# KiCad board d20_tri_r0.3_4x1.kicad_pcb (continued)
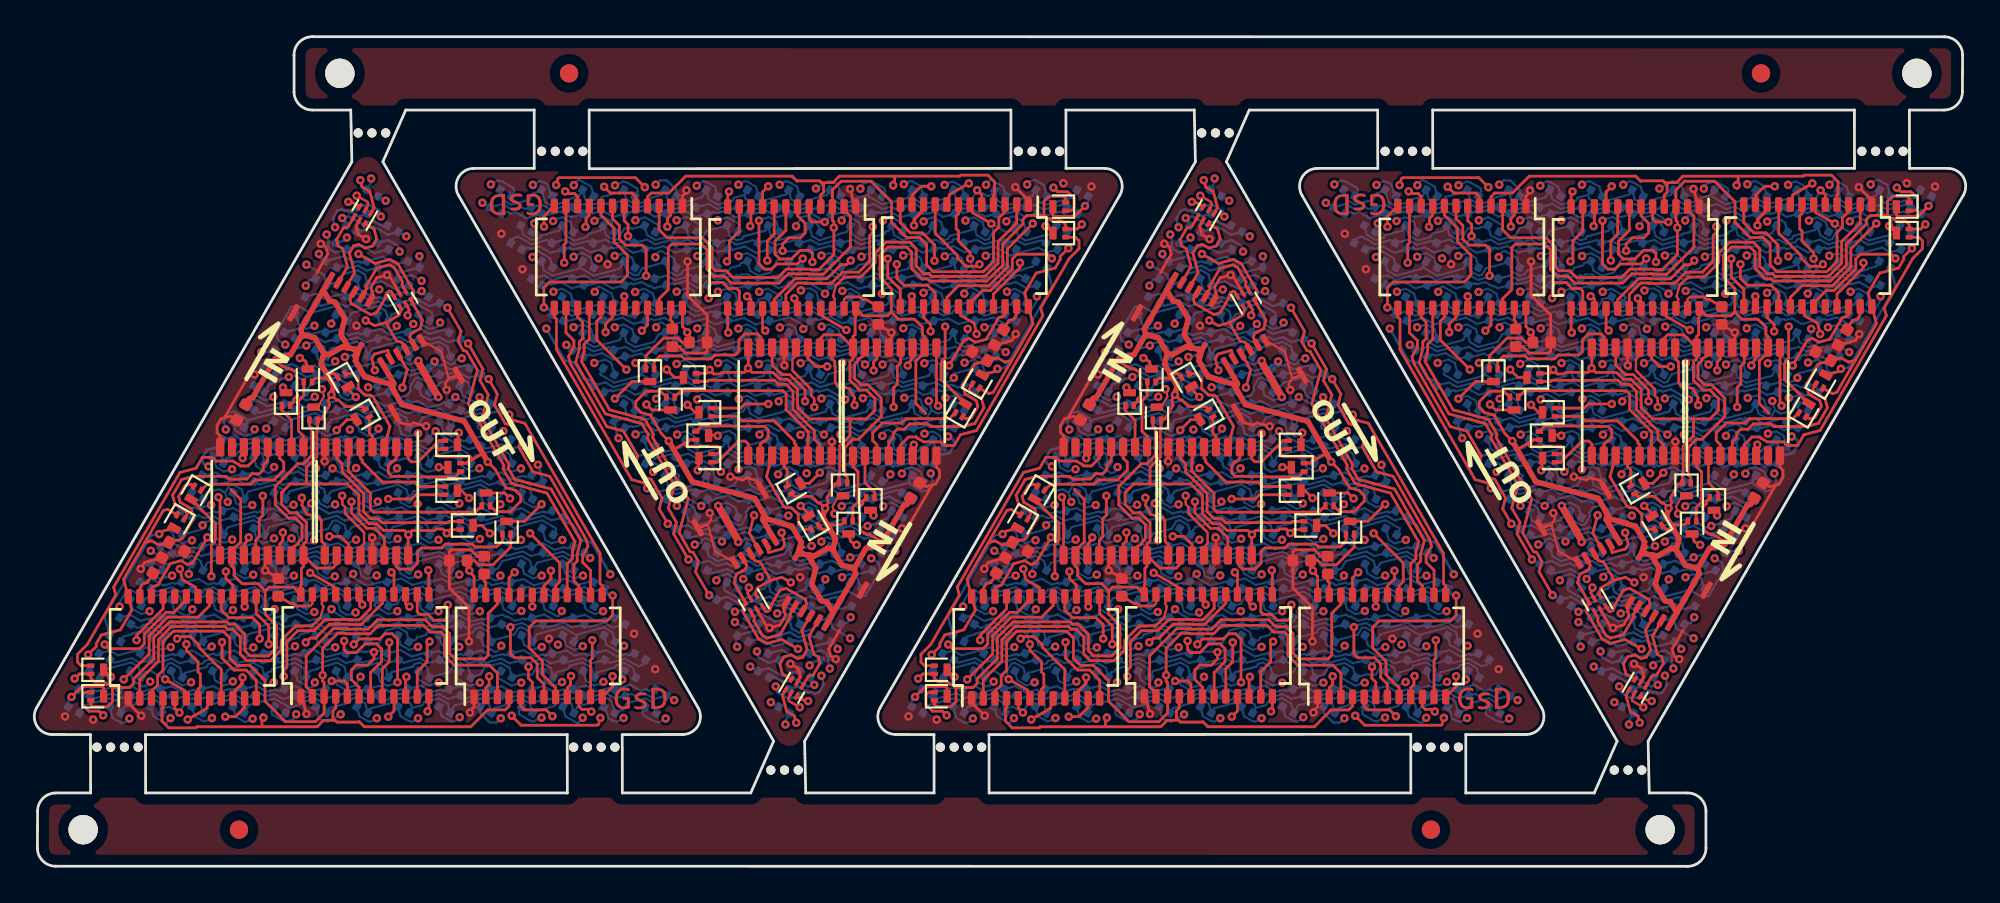
[diagram p0: board, top side]
## Routing (per net, layer and track width the routed paths; a pad name or vN(x,y) marks a point on that pad's centre or on a via; arc(x,y) is an arc through that point) (continued)
  Bottom w0.15: 19,13.05 18.85,13.21 D99#2.4 ; 65,13.05 64.85,13.21 D99#4.4 ; 86.33,32.2 86.48,32.05 D99#3.4 ; D99.4 40.48,32.05 40.33,32.2
colr_3: length 150.3
  Top w0.15: v1(31.54,14.77) 31.54,13.7 31.23,13.38 27.35,13.38 26.99,13.02 26.99,11.91 27.72,11.18 27.72,10.45 28.43,9.74 U1#2.8 ; U1#3.8 74.43,9.74 73.72,10.45 73.72,11.18 72.99,11.91 72.99,13.02 73.35,13.38 77.23,13.38 77.54,13.7 v1(77.54,14.77) ; v1(73.79,30.48) 73.79,31.56 74.11,31.87 77.99,31.87 78.35,32.23 78.35,33.34 77.62,34.07 77.62,34.8 76.9,35.52 U1#4.8 ; U1.8 30.9,35.52 31.62,34.8 31.62,34.07 32.35,33.34 32.35,32.23 31.99,31.87 28.11,31.87 27.79,31.56 v1(27.79,30.48)
  Bottom w0.114: D4.4 28.87,30.28 29.31,30.03 30.2,30.27 D20.4 31.11,30.28 31.56,30.01 32.11,30.16 32.37,30.01 D36.4 33.42,30.29 33.86,30.04 34.7,30.26 D52.4 35.59,30.27 36.04,30.01 36.96,30.26 D68.4 37.74,30.24 38.17,29.99 39.19,30.26 D84.4 40.11,30.28 40.56,30.02 41.45,30.26 D100.4 42.4,30.29 42.84,30.04 43.68,30.26 D116.4 44.59,30.27 45.04,30.01 45.94,30.25 D132.4 46.87,30.28 47.31,30.03 48.18,30.26 D148.4 49.15,30.29 49.58,30.04 50.06,30.16 50.16,30.34 50.24,30.37 D164.4 51.37,30.28 51.81,30.03 52.67,30.26 D180.4 ; D4#2.4 30.46,14.98 30.02,15.23 29.13,14.99 D20#2.4 28.22,14.98 27.77,15.24 27.22,15.09 26.96,15.24 D36#2.4 25.91,14.96 25.47,15.22 24.63,14.99 D52#2.4 23.74,14.98 23.29,15.24 22.37,15 D68#2.4 21.59,15.01 21.16,15.26 20.14,14.99 D84#2.4 19.22,14.98 18.77,15.24 17.88,15 D100#2.4 16.93,14.97 16.49,15.22 15.65,14.99 D116#2.4 14.74,14.98 14.29,15.24 13.39,15 D132#2.4 12.46,14.97 12.02,15.23 11.15,14.99 D148#2.4 10.19,14.97 9.75,15.22 9.28,15.09 9.17,14.91 9.09,14.89 D164#2.4 7.96,14.97 7.53,15.23 6.66,14.99 D180#2.4 ; D4#4.4 76.46,14.98 76.02,15.23 75.13,14.99 D20#4.4 74.22,14.98 73.77,15.24 73.22,15.09 72.96,15.24 D36#4.4 71.91,14.96 71.47,15.22 70.63,14.99 D52#3.4 69.74,14.98 69.29,15.24 68.37,15 D68#4.4 67.59,15.01 67.16,15.26 66.14,14.99 D84#3.4 65.22,14.98 64.77,15.24 63.88,15 D100#4.4 62.93,14.97 62.49,15.22 61.65,14.99 D116#4.4 60.74,14.98 60.29,15.24 59.39,15 D132#3.4 58.46,14.97 58.02,15.23 57.15,14.99 D148#4.4 56.19,14.97 55.75,15.22 55.28,15.09 55.17,14.91 55.09,14.89 D164#3.4 53.96,14.97 53.53,15.23 52.66,14.99 D180#3.4 ; D4#3.4 74.87,30.28 75.31,30.03 76.2,30.27 D20#3.4 77.11,30.28 77.56,30.01 78.11,30.16 78.37,30.01 D36#3.4 79.42,30.29 79.86,30.04 80.7,30.26 D52#4.4 81.59,30.27 82.04,30.01 82.96,30.26 D68#3.4 83.74,30.24 84.17,29.99 85.19,30.26 D84#4.4 86.11,30.28 86.56,30.02 87.45,30.26 D100#3.4 88.4,30.29 88.84,30.04 89.68,30.26 D116#3.4 90.59,30.27 91.04,30.01 91.94,30.25 D132#4.4 92.87,30.28 93.31,30.03 94.18,30.26 D148#3.4 95.15,30.29 95.58,30.04 96.06,30.16 96.16,30.34 96.24,30.37 D164#4.4 97.37,30.28 97.81,30.03 98.67,30.26 D180#4.4
  Bottom w0.15: D4#2.4 31.27,14.84 v1(31.54,14.77) ; D4#3.4 74.06,30.41 v1(73.79,30.48) ; D4#4.4 77.27,14.84 v1(77.54,14.77) ; D4.4 28.06,30.41 v1(27.79,30.48)
colr_4: length 133.8
  Top w0.15: 30.09,34.89 30.09,35.34 30.27,35.52 U1.9 ; U1#2.9 29.07,9.74 29.24,9.91 29.24,10.37 ; 75.24,10.37 75.24,9.91 75.07,9.74 U1#3.9 ; U1#4.9 76.27,35.52 76.09,35.34 76.09,34.89
  In2.Cu w0.15: v1(30.31,16.82) 30.23,16.5 30.6,15.87 30.21,14.43 31.06,12.97 30.56,11.13 29.24,10.37 ; v1(75.02,28.44) 75.1,28.75 74.73,29.39 75.12,30.83 74.28,32.29 74.77,34.12 76.09,34.89 ; 75.24,10.37 76.56,11.13 77.06,12.97 76.21,14.43 76.6,15.87 76.23,16.5 v1(76.31,16.82) ; 30.09,34.89 28.77,34.12 28.28,32.29 29.12,30.83 28.73,29.39 29.1,28.75 v1(29.02,28.44)
  Bottom w0.114: D165.4 51.52,28.33 51.34,28.28 51.32,28.26 50.68,28.08 50.24,28.33 D149.4 49.31,28.31 48.47,28.08 48.02,28.34 D133.4 47.07,28.31 46.21,28.08 45.76,28.34 D117.4 44.81,28.31 43.92,28.07 43.48,28.33 D101.4 42.57,28.31 41.72,28.08 41.27,28.34 D85.4 40.33,28.31 39.47,28.08 39.02,28.34 D69.4 38.08,28.31 37.24,28.08 36.79,28.34 D53.4 35.83,28.31 34.99,28.09 34.54,28.35 D37.4 33.57,28.32 32.68,28.08 32.25,28.33 D21.4 31.34,28.31 30.49,28.09 30.05,28.35 D5.4 29.04,28.34 v1(29.02,28.44) ; D165#2.4 7.81,16.92 8,16.97 8.01,17 8.65,17.17 9.09,16.92 D149#2.4 10.02,16.95 10.86,17.17 11.31,16.91 D133#2.4 12.26,16.95 13.12,17.18 13.57,16.92 D117#2.4 14.52,16.94 15.41,17.18 15.85,16.92 D101#2.4 16.76,16.95 17.62,17.18 18.07,16.92 D85#2.4 19,16.95 19.86,17.17 20.31,16.91 D69#2.4 21.25,16.94 22.09,17.17 22.54,16.91 D53#2.4 23.5,16.94 24.34,17.17 24.79,16.91 D37#2.4 25.76,16.93 26.65,17.17 27.09,16.92 D21#2.4 27.99,16.94 28.84,17.17 29.28,16.91 D5#2.4 30.29,16.91 v1(30.31,16.82) ; v1(76.31,16.82) 76.29,16.91 D5#4.4 75.28,16.91 74.84,17.17 73.99,16.94 D21#4.4 73.09,16.92 72.65,17.17 71.76,16.93 D37#3.4 70.79,16.91 70.34,17.17 69.5,16.94 D53#4.4 68.54,16.91 68.09,17.17 67.25,16.94 D69#4.4 66.31,16.91 65.86,17.17 65,16.95 D85#4.4 64.07,16.92 63.62,17.18 62.76,16.95 D101#4.4 61.85,16.92 61.41,17.18 60.52,16.94 D117#4.4 59.57,16.92 59.12,17.18 58.26,16.95 D133#3.4 57.31,16.91 56.86,17.17 56.02,16.95 D149#4.4 55.09,16.92 54.65,17.17 54.01,17 54,16.97 53.81,16.92 D165#3.4 ; D165#4.4 97.52,28.33 97.34,28.28 97.32,28.26 96.68,28.08 96.24,28.33 D149#3.4 95.31,28.31 94.47,28.08 94.02,28.34 D133#4.4 93.07,28.31 92.21,28.08 91.76,28.34 D117#3.4 90.81,28.31 89.92,28.07 89.48,28.33 D101#3.4 88.57,28.31 87.72,28.08 87.27,28.34 D85#3.4 86.33,28.31 85.47,28.08 85.02,28.34 D69#3.4 84.08,28.31 83.24,28.08 82.79,28.34 D53#3.4 81.83,28.31 80.99,28.09 80.54,28.35 D37#4.4 79.57,28.32 78.68,28.08 78.25,28.33 D21#3.4 77.34,28.31 76.49,28.09 76.05,28.35 D5#3.4 75.04,28.34 v1(75.02,28.44)
  vias: v1(29.27,10.38) v1(30.06,34.88) v1(75.27,10.38) v1(76.06,34.88)
colr_5: length 147.6
  Top w0.15: U1.10 29.63,36.54 29.48,36.69 29.16,36.69 29,36.73 v1(28.95,36.81) ; U1#2.10 29.7,8.72 29.86,8.56 30.17,8.56 30.33,8.52 v1(30.38,8.44) ; U1#3.10 75.7,8.72 75.86,8.56 76.17,8.56 76.33,8.52 v1(76.38,8.44) ; U1#4.10 75.63,36.54 75.48,36.69 75.16,36.69 75,36.73 v1(74.95,36.81)
  In2.Cu w0.15: v1(27.92,29.33) 27.91,29.33 25.91,32.81 26.69,35.71 27.88,36.4 28.13,36.34 v1(28.95,36.81) ; v1(31.41,15.93) 31.42,15.93 33.42,12.45 32.64,9.54 31.45,8.85 31.2,8.92 v1(30.38,8.44) ; v1(77.41,15.93) 77.42,15.93 79.42,12.45 78.64,9.54 77.45,8.85 77.2,8.92 v1(76.38,8.44) ; v1(73.92,29.33) 73.91,29.33 71.91,32.81 72.69,35.71 73.88,36.4 74.13,36.34 v1(74.95,36.81)
  Bottom w0.114: D102.4 44.61,26.39 45.04,26.13 45.93,26.37 D118.4 46.9,26.4 47.33,26.15 47.65,26.23 47.65,26.24 48.17,26.38 D134.4 49.15,26.4 49.58,26.15 50.03,26.27 50.12,26.21 50.16,26.23 50.35,26.12 D150.4 ; 40.44,26.23 40.15,26.4 D70.4 39.2,26.36 38.36,26.14 37.91,26.4 D54.4 36.87,26.12 36.65,26.24 36.16,26.11 35.67,26.4 D38.4 34.7,26.37 33.85,26.15 33.41,26.4 D22.4 32.45,26.37 31.58,26.14 31.14,26.39 D6.4 ; D102#2.4 14.72,18.87 14.29,19.12 13.4,18.88 D118#2.4 12.43,18.86 12,19.11 11.68,19.02 11.68,19.02 11.16,18.88 D134#2.4 10.18,18.86 9.75,19.11 9.3,18.99 9.21,19.04 9.17,19.03 8.98,19.14 D150#2.4 ; 18.89,19.03 19.18,18.86 D70#2.4 20.13,18.89 20.97,19.12 21.42,18.86 D54#2.4 22.46,19.14 22.68,19.01 23.17,19.14 23.67,18.86 D38#2.4 24.63,18.88 25.49,19.11 25.92,18.86 D22#2.4 26.88,18.88 27.75,19.12 28.19,18.86 D6#2.4 ; D6#3.4 74.19,18.86 73.75,19.12 72.88,18.88 D22#3.4 71.92,18.86 71.49,19.11 70.63,18.88 D38#3.4 69.67,18.86 69.17,19.14 68.68,19.01 68.46,19.14 D54#4.4 67.42,18.86 66.97,19.12 66.13,18.89 D70#4.4 65.18,18.86 64.89,19.03 ; D102#4.4 60.72,18.87 60.29,19.12 59.4,18.88 D118#4.4 58.43,18.86 58,19.11 57.68,19.02 57.68,19.02 57.16,18.88 D134#3.4 56.18,18.86 55.75,19.11 55.3,18.99 55.21,19.04 55.17,19.03 54.98,19.14 D150#4.4 ; D102#3.4 90.61,26.39 91.04,26.13 91.93,26.37 D118#3.4 92.9,26.4 93.33,26.15 93.65,26.23 93.65,26.24 94.17,26.38 D134#4.4 95.15,26.4 95.58,26.15 96.03,26.27 96.12,26.21 96.16,26.23 96.35,26.12 D150#3.4 ; 86.44,26.23 86.15,26.4 D70#3.4 85.2,26.36 84.36,26.14 83.91,26.4 D54#3.4 82.87,26.12 82.65,26.24 82.16,26.11 81.67,26.4 D38#4.4 80.7,26.37 79.85,26.15 79.41,26.4 D22#4.4 78.45,26.37 77.58,26.14 77.14,26.39 D6#4.4
  Bottom w0.127: D102.4 43.68,26.38 43.22,26.25 43.21,26.24 42.84,26.14 42.4,26.4 D86.4 41.45,26.36 40.6,26.14 40.44,26.23 ; D102#2.4 15.65,18.88 16.12,19 16.12,19.02 16.49,19.11 16.93,18.86 D86#2.4 17.88,18.89 18.73,19.12 18.89,19.03 ; 64.89,19.03 64.73,19.12 63.88,18.89 D86#4.4 62.93,18.86 62.49,19.11 62.12,19.02 62.12,19 61.65,18.88 D102#4.4 ; D102#3.4 89.68,26.38 89.22,26.25 89.21,26.24 88.84,26.14 88.4,26.4 D86#3.4 87.45,26.36 86.6,26.14 86.44,26.23
  Bottom w0.15: v1(31.41,15.93) 30.41,17.65 29.85,17.8 29.35,18.66 29.02,18.75 D6#2.4 ; v1(77.41,15.93) 76.41,17.65 75.85,17.8 75.35,18.66 75.02,18.75 D6#3.4 ; v1(73.92,29.33) 74.92,27.6 75.48,27.45 75.98,26.59 76.31,26.5 D6#4.4 ; v1(27.92,29.33) 28.92,27.6 29.48,27.45 29.98,26.59 30.31,26.5 D6.4
colr_6: length 136.4
  Top w0.15: v1(28.9,32.92) 28.9,33.92 29,34.01 U1.11 ; U1#2.11 30.34,11.24 30.43,11.34 v1(30.43,12.33) ; U1#3.11 76.34,11.24 76.43,11.34 v1(76.43,12.33) ; U1#4.11 75,34.01 74.9,33.92 v1(74.9,32.92)
  In2.Cu w0.15: v1(30.43,12.33) 29.07,14.69 29.88,17.71 v1(27.47,21.9) ; v1(73.47,21.9) 75.88,17.71 75.07,14.69 v1(76.43,12.33) ; v1(74.9,32.92) 76.26,30.57 75.45,27.54 v1(77.86,23.36) ; v1(31.86,23.36) 29.45,27.54 30.26,30.57 v1(28.9,32.92)
  Bottom w0.114: D119.4 47.85,24.41 48.29,24.15 49.3,24.43 D135.4 ; D55.4 38.07,24.43 37.22,24.2 36.79,24.45 D39.4 35.82,24.43 34.98,24.2 34.54,24.45 D23.4 33.57,24.43 32.73,24.2 32.3,24.46 D7.4 ; D119#2.4 11.48,20.85 11.04,21.1 10.03,20.83 D135#2.4 ; D55#2.4 21.26,20.83 22.11,21.05 22.54,20.8 D39#2.4 23.51,20.83 24.35,21.05 24.79,20.8 D23#2.4 25.76,20.83 26.6,21.05 27.04,20.8 D7#2.4 ; D7#3.4 73.04,20.8 72.6,21.05 71.76,20.83 D23#3.4 70.79,20.8 70.35,21.05 69.51,20.83 D39#4.4 68.54,20.8 68.11,21.05 67.26,20.83 D55#3.4 ; D135#4.4 56.03,20.83 57.04,21.1 57.48,20.85 D119#4.4 ; D119#3.4 93.85,24.41 94.29,24.15 95.3,24.43 D135#3.4 ; D55#4.4 84.07,24.43 83.22,24.2 82.79,24.45 D39#3.4 81.82,24.43 80.98,24.2 80.54,24.45 D23#4.4 79.57,24.43 78.73,24.2 78.3,24.46 D7#4.4
  Bottom w0.127: D55.4 39.02,24.45 39.46,24.19 39.53,24.21 39.54,24.21 40.33,24.42 D71.4 41.19,24.43 41.65,24.16 42.23,24.32 42.48,24.17 D87.4 43.17,24.27 43.35,24.45 43.5,24.45 43.96,24.18 44.03,24.18 44.5,24.31 44.73,24.17 45.77,24.45 46.21,24.19 47.06,24.42 D119.4 ; D55#2.4 20.31,20.81 19.87,21.06 19.8,21.04 19.8,21.05 19,20.84 D71#2.4 18.14,20.83 17.68,21.09 17.1,20.94 16.85,21.08 D87#2.4 16.16,20.99 15.98,20.81 15.83,20.81 15.37,21.07 15.3,21.07 14.83,20.95 14.6,21.08 13.56,20.81 13.12,21.06 12.27,20.83 D119#2.4 ; D55#3.4 66.31,20.81 65.87,21.06 65.8,21.04 65.8,21.05 65,20.84 D71#4.4 64.14,20.83 63.68,21.09 63.1,20.94 62.85,21.08 D87#4.4 62.16,20.99 61.98,20.81 61.83,20.81 61.37,21.07 61.3,21.07 60.83,20.95 60.6,21.08 59.56,20.81 59.12,21.06 58.27,20.83 D119#4.4 ; D55#4.4 85.02,24.45 85.46,24.19 85.53,24.21 85.54,24.21 86.33,24.42 D71#3.4 87.19,24.43 87.65,24.16 88.23,24.32 88.48,24.17 D87#3.4 89.17,24.27 89.35,24.45 89.5,24.45 89.96,24.18 90.03,24.18 90.5,24.31 90.73,24.17 91.77,24.45 92.21,24.19 93.06,24.42 D119#3.4
  Bottom w0.15: D7.4 31.85,23.37 v1(31.86,23.36) ; D7#2.4 27.49,21.89 v1(27.47,21.9) ; D7#3.4 73.49,21.89 v1(73.47,21.9) ; D7#4.4 77.85,23.37 v1(77.86,23.36)
colr_7: length 133.4
  Top w0.15: U1#2.12 31.54,9.8 v1(31.54,10.37) ; v1(77.54,10.37) 77.54,9.8 U1#3.12 ; U1#4.12 73.8,35.45 v1(73.8,34.89) ; U1.12 27.8,35.45 v1(27.8,34.89)
  In2.Cu w0.15: v1(31.54,10.37) 31,11.3 31.34,12.56 31.8,12.83 31.94,13.35 31.4,14.29 31.24,14.33 30.75,15.17 31.1,16.47 27.6,22.53 v1(27.03,22.68) ; v1(77.54,10.37) 77,11.3 77.34,12.56 77.8,12.83 77.94,13.35 77.4,14.29 77.24,14.33 76.75,15.17 77.1,16.47 73.6,22.53 v1(73.03,22.68) ; v1(73.8,34.89) 74.33,33.96 73.99,32.69 73.53,32.42 73.39,31.9 73.93,30.97 74.1,30.92 74.58,30.08 74.23,28.78 77.73,22.72 v1(78.3,22.57) ; v1(32.3,22.57) 31.73,22.72 28.23,28.78 28.58,30.08 28.1,30.92 27.93,30.97 27.39,31.9 27.53,32.42 27.99,32.69 28.33,33.96 v1(27.8,34.89)
  Bottom w0.114: D120.4 48.1,22.23 47.99,22.29 47.48,22.15 46.88,22.5 D104.4 45.85,22.23 45.74,22.3 45.23,22.16 44.64,22.5 D88.4 43.84,22.39 42.87,22.13 42.28,22.47 D72.4 41.56,22.41 40.69,22.18 40.13,22.5 D56.4 39.19,22.48 38.35,22.26 37.91,22.51 D40.4 36.94,22.48 36.1,22.26 35.67,22.51 D24.4 34.71,22.48 33.83,22.24 33.38,22.5 D8.4 v1(32.3,22.57) ; D120#2.4 11.23,23.03 11.34,22.96 11.85,23.1 12.45,22.75 D104#2.4 13.48,23.03 13.59,22.96 14.1,23.1 14.69,22.75 D88#2.4 15.49,22.86 16.46,23.12 17.05,22.78 D72#2.4 17.77,22.84 18.64,23.08 19.2,22.75 D56#2.4 20.14,22.77 20.98,23 21.42,22.75 D40#2.4 22.39,22.77 23.23,23 23.66,22.75 D24#2.4 24.62,22.78 25.5,23.02 25.95,22.76 D8#2.4 27.03,22.69 v1(27.03,22.68) ; D120#4.4 57.23,23.03 57.34,22.96 57.85,23.1 58.45,22.75 D104#4.4 59.48,23.03 59.59,22.96 60.1,23.1 60.69,22.75 D88#3.4 61.49,22.86 62.46,23.12 63.05,22.78 D72#4.4 63.77,22.84 64.64,23.08 65.2,22.75 D56#3.4 66.14,22.77 66.98,23 67.42,22.75 D40#3.4 68.39,22.77 69.23,23 69.66,22.75 D24#3.4 70.62,22.78 71.5,23.02 71.95,22.76 D8#3.4 73.03,22.69 v1(73.03,22.68) ; D120#3.4 94.1,22.23 93.99,22.29 93.48,22.15 92.88,22.5 D104#3.4 91.85,22.23 91.74,22.3 91.23,22.16 90.64,22.5 D88#4.4 89.84,22.39 88.87,22.13 88.28,22.47 D72#3.4 87.56,22.41 86.69,22.18 86.13,22.5 D56#4.4 85.19,22.48 84.35,22.26 83.91,22.51 D40#4.4 82.94,22.48 82.1,22.26 81.67,22.51 D24#4.4 80.71,22.48 79.83,22.24 79.38,22.5 D8#4.4 v1(78.3,22.57)
colr_8: length 106
  Top w0.15: U1.13 28.36,29.96 28.48,29.84 28.48,28.19 32.58,21.09 33.26,20.91 v1(33.43,20.63) ; v1(25.9,24.63) 26.07,24.35 26.75,24.16 30.85,17.06 30.85,15.42 30.97,15.3 U1#2.13 ; v1(71.9,24.63) 72.07,24.35 72.75,24.16 76.85,17.06 76.85,15.42 76.97,15.3 U1#3.13 ; v1(79.43,20.63) 79.26,20.91 78.58,21.09 74.48,28.19 74.48,29.84 74.36,29.96 U1#4.13
  Bottom w0.114: D9.4 34.54,20.56 34.99,20.3 35.84,20.53 D25.4 36.77,20.56 37.22,20.3 38.08,20.53 D41.4 39.02,20.56 39.47,20.3 40.06,20.46 40.33,20.53 D57.4 ; D9#2.4 24.79,24.69 24.34,24.95 23.5,24.73 D25#2.4 22.56,24.7 22.11,24.96 21.25,24.73 D41#2.4 20.31,24.7 19.86,24.96 19.27,24.8 19,24.73 D57#2.4 ; D9#4.4 70.79,24.69 70.34,24.95 69.5,24.73 D25#3.4 68.56,24.7 68.11,24.96 67.25,24.73 D41#3.4 66.31,24.7 65.86,24.96 65.27,24.8 65,24.73 D57#3.4 ; D9#3.4 80.54,20.56 80.99,20.3 81.84,20.53 D25#4.4 82.77,20.56 83.22,20.3 84.08,20.53 D41#4.4 85.02,20.56 85.47,20.3 86.06,20.46 86.33,20.53 D57#4.4
  Bottom w0.127: D105.4 47.08,20.52 46.07,20.25 45.61,20.52 D89.4 44.83,20.52 43.96,20.29 43.5,20.56 D73.4 42.48,20.28 42.23,20.43 41.72,20.29 41.26,20.56 D57.4 ; D57#2.4 18.07,24.7 17.61,24.96 17.1,24.83 16.85,24.97 D73#2.4 15.83,24.7 15.37,24.96 14.5,24.73 D89#2.4 13.72,24.74 13.26,25 12.25,24.73 D105#2.4 ; D57#3.4 64.07,24.7 63.61,24.96 63.1,24.83 62.85,24.97 D73#3.4 61.83,24.7 61.37,24.96 60.5,24.73 D89#4.4 59.72,24.74 59.26,25 58.25,24.73 D105#4.4 ; D57#4.4 87.26,20.56 87.72,20.29 88.23,20.43 88.48,20.28 D73#4.4 89.5,20.56 89.96,20.29 90.83,20.52 D89#3.4 91.61,20.52 92.07,20.25 93.08,20.52 D105#3.4
  Bottom w0.15: D9.4 33.85,20.38 v1(33.43,20.63) ; D9#2.4 25.48,24.87 v1(25.9,24.63) ; D9#4.4 71.48,24.87 v1(71.9,24.63) ; D9#3.4 79.85,20.38 v1(79.43,20.63)
colr_9: length 107.4
  Top w0.15: v1(24.78,26.58) 25.25,25.76 25.09,25.17 25.69,24.14 26.13,24.03 26.54,23.31 26.43,22.86 27.2,21.51 28.11,21.27 30.09,17.83 30.2,17.45 29.9,16.94 29.9,16.58 30.34,16.15 U1#2.14 ; U1#3.14 76.34,16.15 75.9,16.58 75.9,16.94 76.2,17.45 76.09,17.83 74.11,21.27 73.2,21.51 72.43,22.86 72.54,23.31 72.13,24.03 71.69,24.14 71.09,25.17 71.25,25.76 v1(70.78,26.58) ; v1(80.55,18.68) 80.08,19.5 80.24,20.09 79.65,21.11 79.2,21.23 78.79,21.95 78.91,22.39 78.13,23.74 77.22,23.98 75.24,27.42 75.13,27.81 75.43,28.31 75.43,28.68 75,29.11 U1#4.14 ; U1.14 29,29.11 29.43,28.68 29.43,28.31 29.13,27.81 29.24,27.42 31.22,23.98 32.13,23.74 32.91,22.39 32.79,21.95 33.2,21.23 33.65,21.11 34.24,20.09 34.08,19.5 v1(34.55,18.68)
  Bottom w0.127: D90.4 45.86,18.34 45.81,18.25 45.29,18.11 44.49,18.57 D74.4 43.71,18.58 42.84,18.35 42.38,18.61 D58.4 41.36,18.34 40.83,18.65 40.62,18.59 40.44,18.69 39.12,18.34 38.86,18.48 38.35,18.35 37.89,18.61 D26.4 36.87,18.34 36.74,18.41 36.23,18.27 35.64,18.61 D10.4 ; D10#2.4 23.69,26.64 23.1,26.98 22.59,26.84 22.46,26.92 D26#2.4 21.44,26.64 20.98,26.91 20.47,26.77 20.22,26.92 18.89,26.56 18.71,26.67 18.5,26.61 17.97,26.92 D58#2.4 16.95,26.64 16.49,26.91 15.62,26.68 D74#2.4 14.84,26.68 14.04,27.14 13.52,27 13.48,26.92 D90#2.4 ; D10#4.4 69.69,26.64 69.1,26.98 68.59,26.84 68.46,26.92 D26#3.4 67.44,26.64 66.98,26.91 66.47,26.77 66.22,26.92 64.89,26.56 64.71,26.67 64.5,26.61 63.97,26.92 D58#3.4 62.95,26.64 62.49,26.91 61.62,26.68 D74#4.4 60.84,26.68 60.04,27.14 59.52,27 59.48,26.92 D90#3.4 ; D10#3.4 81.64,18.61 82.23,18.27 82.74,18.41 82.87,18.34 D26#4.4 83.89,18.61 84.35,18.35 84.86,18.48 85.12,18.34 86.44,18.69 86.62,18.59 86.83,18.65 87.36,18.34 D58#4.4 88.38,18.61 88.84,18.35 89.71,18.58 D74#3.4 90.49,18.57 91.29,18.11 91.81,18.25 91.86,18.34 D90#4.4
  Bottom w0.15: v1(34.55,18.68) D10.4 ; D10#2.4 24.36,26.82 v1(24.78,26.58) ; D10#4.4 70.36,26.82 v1(70.78,26.58) ; v1(80.55,18.68) D10#3.4
colr_10: length 107.7
  Top w0.15: U1#2.15 29.7,15.3 29.43,15.57 29.43,16.47 29.61,16.65 29.61,17.04 29.8,17.77 28.18,20.58 26.2,21.11 25.85,21.71 25.9,21.9 24.42,24.46 24.76,25.72 24.31,26.5 24.47,27.11 v1(23.66,28.52) ; v1(69.66,28.52) 70.47,27.11 70.31,26.5 70.76,25.72 70.42,24.46 71.9,21.9 71.85,21.71 72.2,21.11 74.18,20.58 75.8,17.77 75.61,17.04 75.61,16.65 75.43,16.47 75.43,15.57 75.7,15.3 U1#3.15 ; U1#4.15 75.63,29.96 75.9,29.69 75.9,28.79 75.72,28.61 75.72,28.21 75.53,27.48 77.15,24.68 79.13,24.15 79.48,23.54 79.43,23.35 80.91,20.8 80.57,19.54 81.02,18.75 80.86,18.14 v1(81.67,16.73) ; U1.15 29.63,29.96 29.9,29.69 29.9,28.79 29.72,28.61 29.72,28.21 29.53,27.48 31.15,24.68 33.13,24.15 33.48,23.54 33.43,23.35 34.91,20.8 34.57,19.54 35.02,18.75 34.86,18.14 v1(35.67,16.73)
  Bottom w0.127: D75.4 44.73,16.39 44.63,16.45 44.4,16.38 44.24,16.47 43.96,16.4 43.5,16.66 D59.4 42.49,16.39 42.23,16.54 41.72,16.4 41.26,16.66 D43.4 40.24,16.39 39.98,16.54 39.42,16.39 38.96,16.65 D27.4 37.99,16.39 37.75,16.53 37.24,16.39 36.76,16.67 D11.4 35.67,16.73 v1(35.67,16.73) ; v1(23.66,28.52) 23.66,28.52 D11#2.4 22.57,28.59 22.09,28.86 21.58,28.72 21.34,28.86 D27#2.4 20.37,28.6 19.91,28.87 19.35,28.72 19.09,28.86 D43#2.4 18.07,28.59 17.61,28.85 17.1,28.72 16.84,28.86 D59#2.4 15.83,28.59 15.37,28.86 15.09,28.78 14.93,28.87 14.7,28.81 14.6,28.86 D75#2.4 ; v1(69.66,28.52) 69.66,28.52 D11#3.4 68.57,28.59 68.09,28.86 67.58,28.72 67.34,28.86 D27#3.4 66.37,28.6 65.91,28.87 65.35,28.72 65.09,28.86 D43#3.4 64.07,28.59 63.61,28.85 63.1,28.72 62.84,28.86 D59#3.4 61.83,28.59 61.37,28.86 61.09,28.78 60.93,28.87 60.7,28.81 60.6,28.86 D75#4.4 ; v1(81.67,16.73) 81.67,16.73 D11#4.4 82.76,16.67 83.24,16.39 83.75,16.53 83.99,16.39 D27#4.4 84.96,16.65 85.42,16.39 85.98,16.54 86.24,16.39 D43#4.4 87.26,16.66 87.72,16.4 88.23,16.54 88.49,16.39 D59#4.4 89.5,16.66 89.96,16.4 90.24,16.47 90.4,16.38 90.63,16.45 90.73,16.39 D75#3.4
colr_11: length 106.9
  Top w0.15: v1(22.53,30.47) 23.27,29.19 23.12,28.61 23.39,28.14 23.57,28.09 24.16,27.07 23.67,25.23 25.61,21.87 25.56,21.69 26.03,20.87 27.96,20.36 29.49,17.71 29.35,17.17 29.35,16.78 29.07,16.5 U1#2.16 ; v1(68.53,30.47) 69.27,29.19 69.12,28.61 69.39,28.14 69.57,28.09 70.16,27.07 69.67,25.23 71.61,21.87 71.56,21.69 72.03,20.87 73.96,20.36 75.49,17.71 75.35,17.17 75.35,16.78 75.07,16.5 U1#3.16 ; v1(82.8,14.79) 82.06,16.07 82.21,16.64 81.94,17.12 81.76,17.17 81.17,18.19 81.66,20.03 79.72,23.39 79.77,23.57 79.3,24.38 77.37,24.9 75.84,27.55 75.99,28.08 75.99,28.47 76.27,28.75 U1#4.16 ; v1(36.8,14.79) 36.06,16.07 36.21,16.64 35.94,17.12 35.76,17.17 35.17,18.19 35.66,20.03 33.72,23.39 33.77,23.57 33.3,24.38 31.37,24.9 29.84,27.55 29.99,28.08 29.99,28.47 30.27,28.75 U1.16
  Bottom w0.127: v1(36.8,14.79) 36.8,14.79 D12.4 37.8,14.7 38.52,14.29 D28.4 40.1,14.71 40.56,14.45 41.46,14.69 D44.4 42.38,14.72 42.84,14.45 43.71,14.69 D60.4 ; v1(22.53,30.47) 22.53,30.47 D12#2.4 21.53,30.56 20.81,30.97 D28#2.4 19.23,30.55 18.77,30.81 17.87,30.57 D44#2.4 16.95,30.54 16.49,30.8 15.62,30.57 D60#2.4 ; v1(82.8,14.79) 82.8,14.79 D12#3.4 83.8,14.7 84.52,14.29 D28#4.4 86.1,14.71 86.56,14.45 87.46,14.69 D44#4.4 88.38,14.72 88.84,14.45 89.71,14.69 D60#4.4 ; D60#3.4 61.62,30.57 62.49,30.8 62.95,30.54 D44#3.4 63.87,30.57 64.77,30.81 65.23,30.55 D28#3.4 66.81,30.97 67.53,30.56 D12#4.4 68.53,30.47 v1(68.53,30.47)
colr_12: length 109.5
  Top w0.15: v1(32.29,27.09) 30.68,28.71 30.68,29.73 30.9,29.96 U1.17 ; U1#2.17 28.43,15.3 28.66,15.52 28.66,16.55 v1(27.04,18.16) ; U1#3.17 74.43,15.3 74.66,15.52 74.66,16.55 v1(73.04,18.16) ; U1#4.17 76.9,29.96 76.68,29.73 76.68,28.71 v1(78.29,27.09)
  In2.Cu w0.15: v1(27.04,18.16) 27.36,19.36 26.01,21.7 26.43,23.25 25.89,24.19 25.46,24.3 24.85,25.36 24.89,25.53 23.88,27.29 23.97,27.63 23.72,28.05 23.39,28.14 22.62,29.48 22.66,29.65 22.45,30.01 22.24,30.07 21.77,30.87 22.01,31.77 21.45,32.75 21.28,32.8 v1(21,33.28) ; v1(73.04,18.16) 73.36,19.36 72.01,21.7 72.43,23.25 71.89,24.19 71.46,24.3 70.85,25.36 70.89,25.53 69.88,27.29 69.97,27.63 69.72,28.05 69.39,28.14 68.62,29.48 68.66,29.65 68.45,30.01 68.24,30.07 67.77,30.87 68.01,31.77 67.45,32.75 67.28,32.8 v1(67,33.28) ; v1(78.29,27.09) 77.97,25.89 79.32,23.56 78.9,22 79.44,21.07 79.87,20.95 80.48,19.89 80.44,19.73 81.45,17.97 81.36,17.63 81.61,17.21 81.94,17.12 82.71,15.78 82.67,15.61 82.88,15.24 83.09,15.18 83.56,14.38 83.32,13.48 83.88,12.5 84.05,12.46 v1(84.33,11.98) ; v1(38.33,11.98) 38.05,12.46 37.88,12.5 37.32,13.48 37.56,14.38 37.09,15.18 36.88,15.24 36.67,15.61 36.71,15.78 35.94,17.12 35.61,17.21 35.36,17.63 35.45,17.97 34.44,19.73 34.48,19.89 33.87,20.95 33.44,21.07 32.9,22 33.32,23.56 31.97,25.89 v1(32.29,27.09)
  Bottom w0.127: v1(21,33.28) 21.1,33.1 D13#2.4 20.01,32.4 19.29,32.81 D29#2.4 18.12,32.49 17.66,32.76 17.1,32.61 16.84,32.75 D45#2.4 ; v1(67,33.28) 67.1,33.1 D13#4.4 66.01,32.4 65.29,32.81 D29#4.4 64.12,32.49 63.66,32.76 63.1,32.61 62.84,32.75 D45#3.4 ; v1(84.33,11.98) 84.23,12.15 D13#3.4 85.32,12.86 86.04,12.45 D29#3.4 87.21,12.76 87.67,12.5 88.23,12.65 88.49,12.5 D45#4.4 ; D45.4 42.49,12.5 42.23,12.65 41.67,12.5 41.21,12.76 D29.4 40.04,12.45 39.32,12.86 D13.4 38.23,12.15 v1(38.33,11.98)
colr_13: length 105.5
  Top w0.15: U1.18 31.54,29.96 31.16,29.58 v1(31.16,29.13) ; v1(28.17,16.12) 28.17,15.68 27.8,15.3 U1#2.18 ; v1(74.17,16.12) 74.17,15.68 73.8,15.3 U1#3.18 ; v1(77.16,29.13) 77.16,29.58 77.54,29.96 U1#4.18
  In2.Cu w0.15: v1(28.17,16.12) 29.2,16.71 29.5,17.83 27.49,21.31 27.28,21.37 26.56,22.62 26.87,23.79 22.27,31.76 22.31,31.92 21.02,34.17 v1(20.29,34.36) ; v1(74.17,16.12) 75.2,16.71 75.5,17.83 73.49,21.31 73.28,21.37 72.56,22.62 72.87,23.79 68.27,31.76 68.31,31.92 67.02,34.17 v1(66.29,34.36) ; v1(77.16,29.13) 76.13,28.54 75.83,27.42 77.84,23.94 78.05,23.89 78.78,22.64 78.46,21.46 83.06,13.49 83.02,13.34 84.32,11.09 v1(85.04,10.89) ; v1(39.04,10.89) 38.32,11.09 37.02,13.34 37.06,13.49 32.46,21.46 32.78,22.64 32.05,23.89 31.84,23.94 29.83,27.42 30.13,28.54 v1(31.16,29.13)
  Bottom w0.127: D30#2.4 17.97,34.7 18.01,34.78 18.49,34.9 19.28,34.45 D14#2.4 20.28,34.36 v1(20.29,34.36) ; D30#4.4 63.97,34.7 64.01,34.78 64.49,34.9 65.28,34.45 D14#4.4 66.28,34.36 v1(66.29,34.36) ; D30#3.4 87.36,10.56 87.32,10.48 86.84,10.35 86.05,10.81 D14#3.4 85.05,10.89 v1(85.04,10.89) ; D30.4 41.36,10.56 41.32,10.48 40.84,10.35 40.05,10.81 D14.4 39.05,10.89 v1(39.04,10.89)
colr_14: length 108.2
  Top w0.15: U1.19 v1(32.17,31.09) ; U1#2.19 v1(27.16,14.17) ; U1#3.19 v1(73.16,14.17) ; U1#4.19 v1(78.17,31.09)
  In2.Cu w0.15: v1(27.16,14.17) 26.8,14.79 27.16,16.14 26.44,17.39 26.29,17.43 26.03,17.87 26.56,19.84 25.66,21.4 25.9,22.29 24.31,25.05 24,25.13 23.79,25.5 23.86,25.78 21.32,30.17 21.73,31.69 21.3,32.45 20.63,32.63 20.33,33.15 20.42,33.5 20.14,33.98 19.88,34.05 19.77,34.26 20.03,35.25 19.48,36.22 v1(19.16,36.3) ; v1(73.16,14.17) 72.8,14.79 73.16,16.14 72.44,17.39 72.29,17.43 72.03,17.87 72.56,19.84 71.66,21.4 71.9,22.29 70.31,25.05 70,25.13 69.79,25.5 69.86,25.78 67.32,30.17 67.73,31.69 67.3,32.45 66.63,32.63 66.33,33.15 66.42,33.5 66.14,33.98 65.88,34.05 65.77,34.26 66.03,35.25 65.48,36.22 v1(65.16,36.3) ; v1(78.17,31.09) 78.53,30.46 78.17,29.11 78.89,27.86 79.04,27.82 79.3,27.38 78.77,25.42 79.67,23.86 79.43,22.96 81.02,20.2 81.33,20.12 81.54,19.75 81.47,19.48 84.01,15.08 83.6,13.56 84.03,12.81 84.7,12.63 85,12.11 84.91,11.75 85.19,11.27 85.45,11.2 85.57,11 85.3,10 85.85,9.04 v1(86.17,8.95) ; v1(40.17,8.95) 39.85,9.04 39.3,10 39.57,11 39.45,11.2 39.19,11.27 38.91,11.75 39,12.11 38.7,12.63 38.03,12.81 37.6,13.56 38.01,15.08 35.47,19.48 35.54,19.75 35.33,20.12 35.02,20.2 33.43,22.96 33.67,23.86 32.77,25.42 33.3,27.38 33.04,27.82 32.89,27.86 32.17,29.11 32.53,30.46 v1(32.17,31.09)
  Bottom w0.127: v1(40.17,8.95) 40.17,8.95 D15.4 ; v1(19.16,36.3) 19.16,36.3 D15#2.4 ; v1(65.16,36.3) 65.16,36.3 D15#3.4 ; v1(86.17,8.95) 86.17,8.95 D15#4.4
dat: length 128.9
  Top w0.15: v1(34.53,34.89) 34.53,35.33 34.71,35.52 U1.2 ; U1#2.2 24.62,9.74 24.81,9.92 v1(24.81,10.36) ; U6#2.6 17.24,36.27 v1(17.13,36.24) ; U1#3.2 70.62,9.74 70.81,9.92 v1(70.81,10.36) ; U1#4.2 80.71,35.52 80.53,35.33 v1(80.53,34.89) ; U6#4.6 88.09,8.99 v1(88.2,9.01) ; U6#3.6 63.24,36.27 v1(63.13,36.24) ; U6.6 42.09,8.99 v1(42.2,9.01)
  In1.Cu w0.15: v1(17.13,36.24) 17.43,35.11 17.27,34.83 16.82,34.71 15.4,32.24 14.51,32.01 14.27,31.6 14.91,29.2 15.42,28.91 15.69,27.89 15.62,27.75 24.43,12.49 24.85,10.91 24.72,10.68 v1(24.81,10.36) ; v1(88.2,9.01) 87.9,10.14 88.06,10.42 88.51,10.54 89.93,13.01 90.82,13.25 91.06,13.66 90.42,16.05 89.91,16.34 89.64,17.37 89.71,17.5 80.9,32.76 80.48,34.35 80.61,34.58 v1(80.53,34.89) ; v1(63.13,36.24) 63.43,35.11 63.27,34.83 62.82,34.71 61.4,32.24 60.51,32.01 60.27,31.6 60.91,29.2 61.42,28.91 61.69,27.89 61.62,27.75 70.43,12.49 70.85,10.91 70.72,10.68 v1(70.81,10.36) ; v1(42.2,9.01) 41.9,10.14 42.06,10.42 42.51,10.54 43.93,13.01 44.82,13.25 45.06,13.66 44.42,16.05 43.91,16.34 43.64,17.37 43.71,17.5 34.9,32.76 34.48,34.35 34.61,34.58 v1(34.53,34.89)
